# Altium PCB PROC054D_MMWCAS_RF_EVM.PcbDoc (part 12 of 14) (continued)
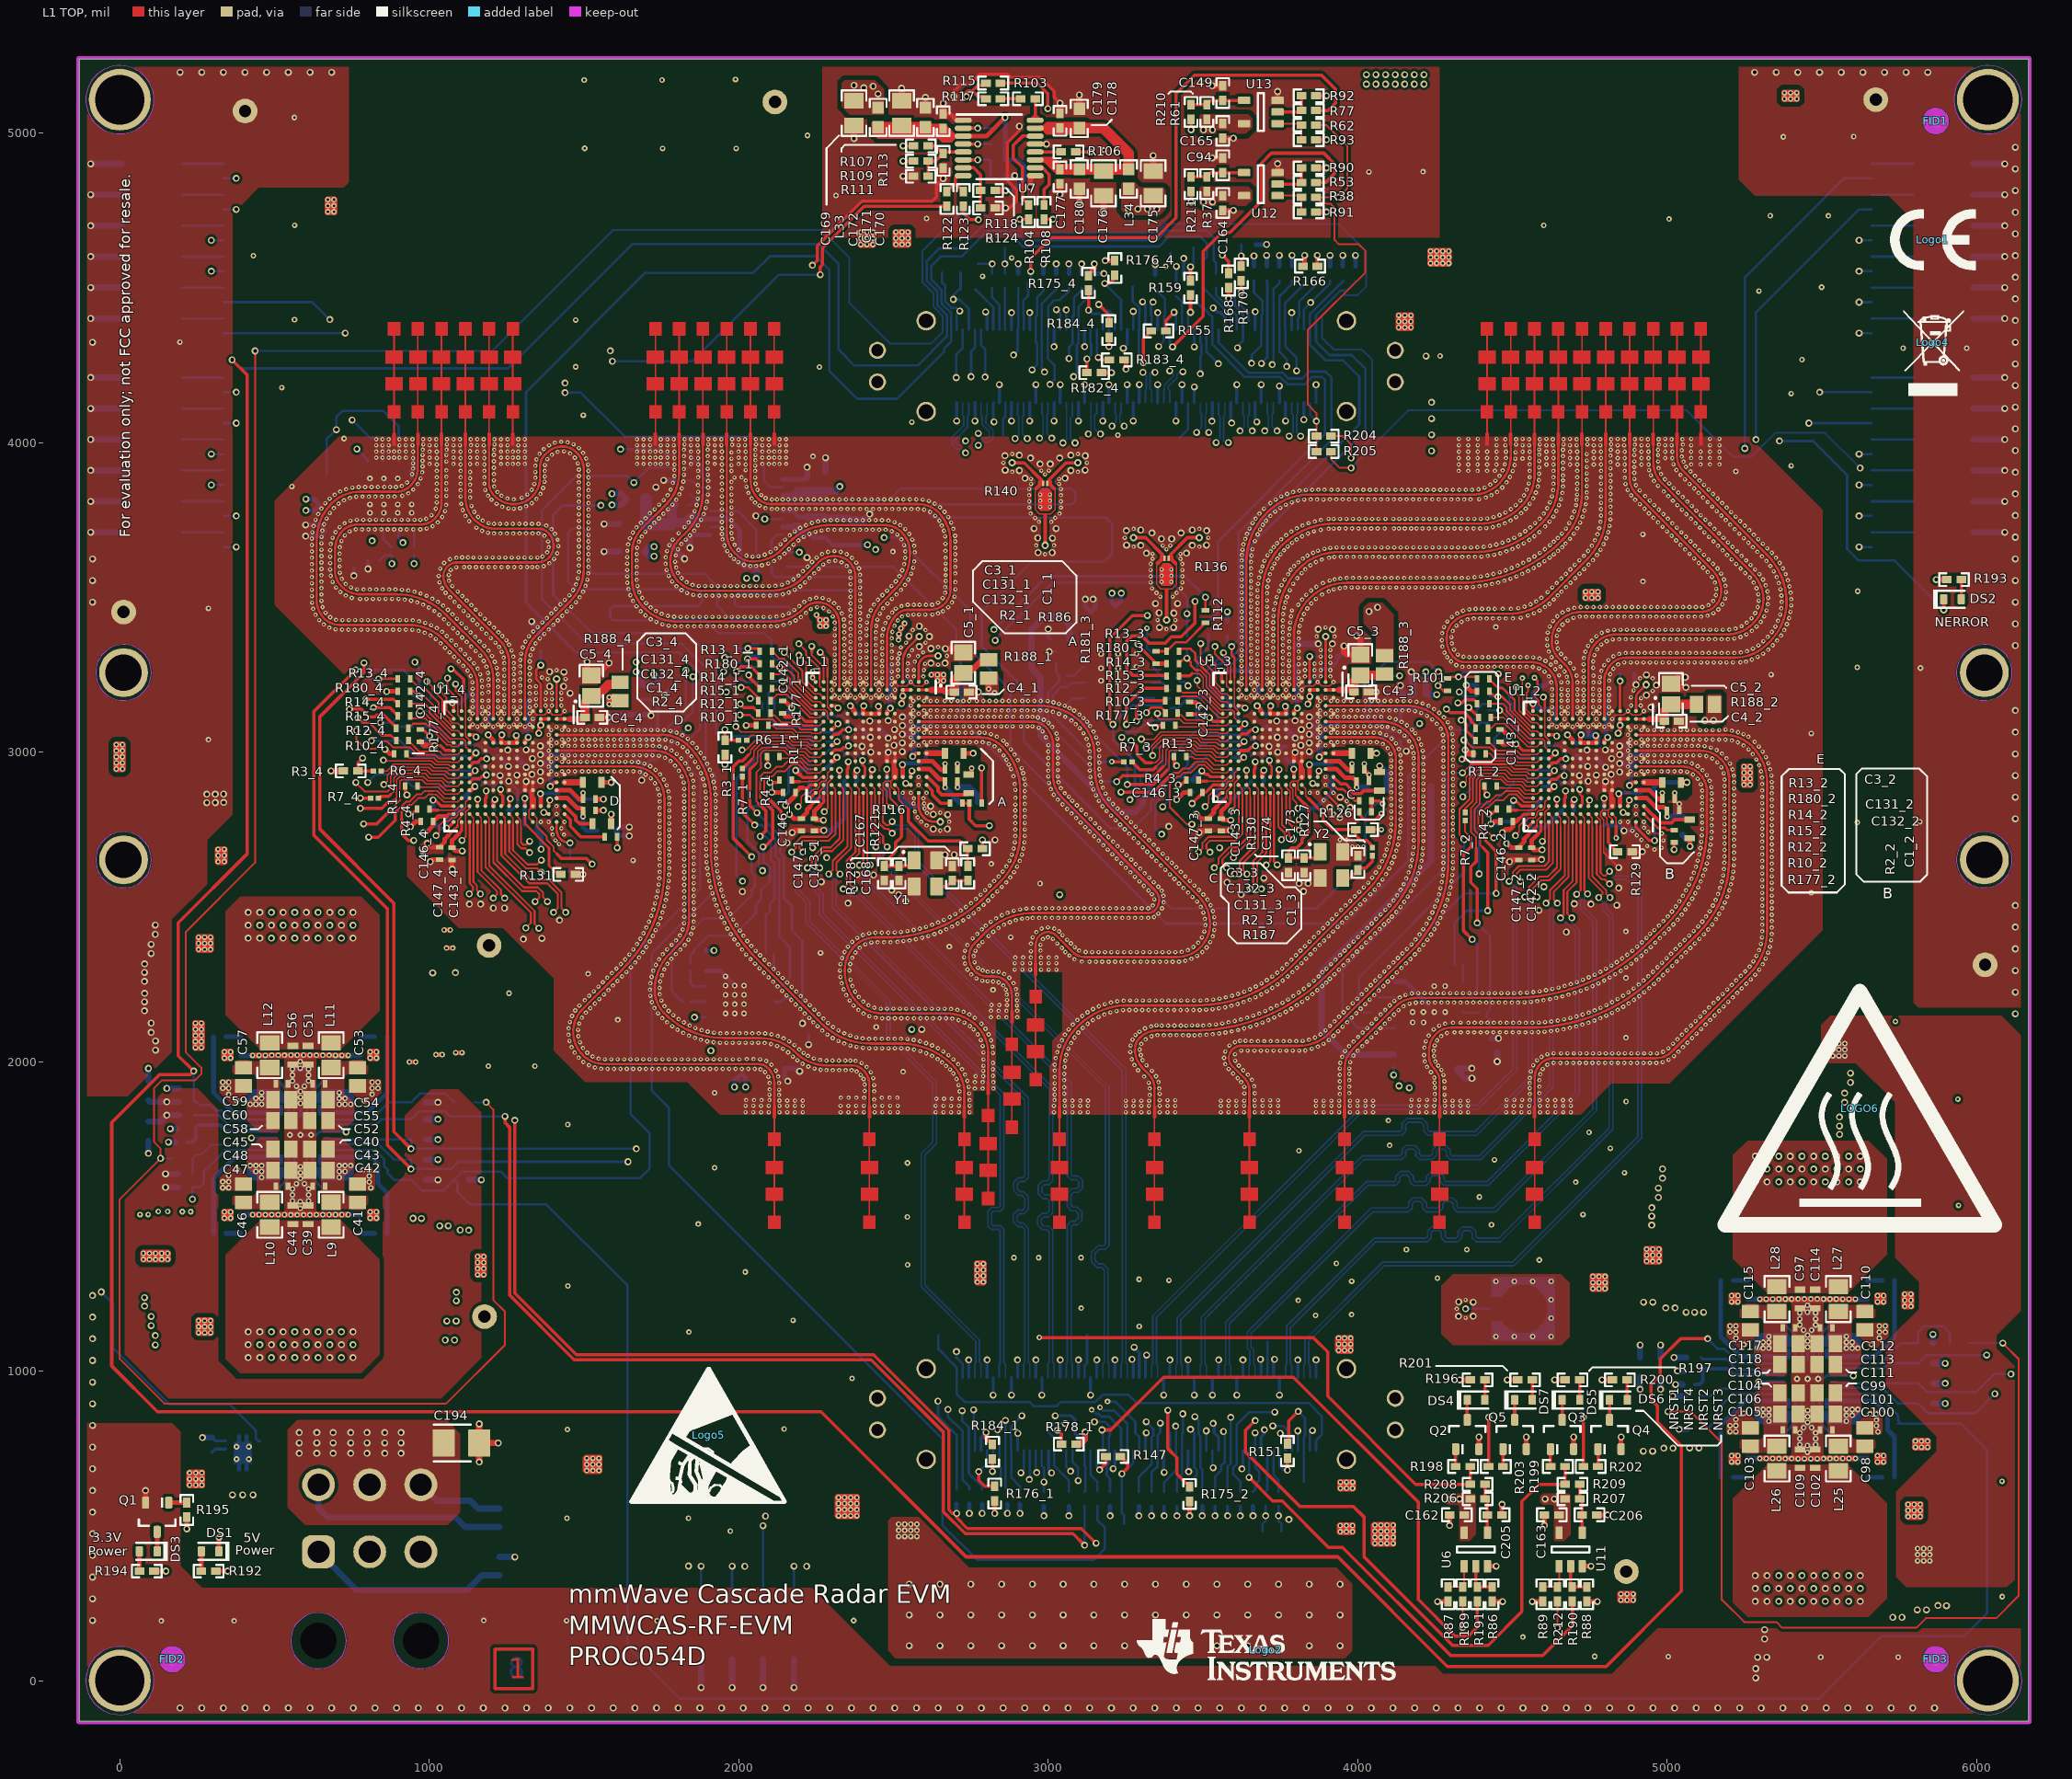
[diagram p0: L1 TOP view]
## Polygon pours and split planes (outlines as drawn) (continued)
GND on L8 BOTTOM "L8_BOTTOM_GND_P29717" (solid, remove dead copper, pour order 29717): 377.44,716.09 369.17,707.82 369.17,684.67 342.1,657.59 342.1,594.18 355.44,580.84 437.95,580.84 452.35,595.24 452.35,658.52 424.84,686.04 424.84,708.06 416.81,716.09
AWR_3_1V2_FILT on L8 BOTTOM "L8_BOTTOM_AWR_3_1V2_FILT_P29784" (solid, remove dead copper, pour order 29784): 3415,2926.83 3522.31,3034.14 3632.94,3034.14 3688.8,2978.27 3796.08,2978.27 3816.09,2958.26 3816.09,2796.64 3710.44,2690.99 3475.55,2690.99 3415,2751.55
SYSTEM_5V0 on L8 BOTTOM "L8_BOTTOM_SYSTEM_5V0_P29757" (solid, remove dead copper, pour order 29757): 18 vertices, not listed, extent 440.48,612.88 715.24,828.57
SYSTEM_3V3 on L3 SIGNAL 1 "L3_SIGNAL_1_SYSTEM_3V3_P29682" (solid, remove dead copper, pour order 29682): 19 vertices, not listed, extent 2819,3443.85 6168.77,5235.17
AWR_3_1V2_FILT on L3 SIGNAL 1 "L3_SIGNAL_1_AWR_3_1V2_FILT_P29678" (solid, remove dead copper, pour order 29678): 4005.77,1049.26 3933.6,977.08 3443.92,977.08 3238.07,1181.62 3238.07,1884.53 3238.07,2920.34 3282.12,2964.39 3458.65,3140.84 3651.28,3140.84 3798.48,2993.64 3798.48,1309.59 4005.77,1102.29
SYSTEM_3V3 on L3 SIGNAL 1 "L3_SIGNAL_1_SYSTEM_3V3_P29675" (solid, remove dead copper, pour order 29675): 4243.58,239.65 5079.35,239.61 5228.42,388.68 5993.24,388.68 6020.97,416.42 6020.97,978.39 6000.72,998.64 5897.16,998.64 5883.55,985.03 5883.55,761.72 5790.91,669.08 4284.49,669.08 4216.52,601.11 4216.52,266.71
AWR_1_1V8_FILT on L3 SIGNAL 1 "L3_SIGNAL_1_AWR_1_1V8_FILT_P29677" (solid, remove dead copper, pour order 29677): 33 vertices, not listed, extent 219.24,2018.28 2602.93,3521.26
AWR_4_1V8_FILT on L3 SIGNAL 1 "L3_SIGNAL_1_AWR_4_1V8_FILT_P29674" (solid, remove dead copper, pour order 29674): 33 vertices, not listed, extent 229.3,2334.58 1604.42,3118.67
SYSTEM_1V8 on L3 SIGNAL 1 "L3_SIGNAL_1_SYSTEM_1V8_P29681" (solid, remove dead copper, pour order 29681): 3338.64,4707.22 2888.04,4707.22 2887.04,4706.22 1925.24,4706.22 646.35,4706.22 644.69,4707.22 621.9,4730 621.9,4890.17 965.5,5233.76 3248.9,5233.76 3382.4,5100.27 3382.4,4750.97
AWR_2_1V2_FILT on L3 SIGNAL 1 "L3_SIGNAL_1_AWR_2_1V2_FILT_P29680" (solid, remove dead copper, pour order 29680): 4194.59,1669.78 4639.62,1224.75 4833.81,1224.75 4948.3,1338.9 4948.3,3000.29 4739.1,3209.49 4264.45,3209.49 4194.59,3139.64
AWR_4_1V2_FILT on L3 SIGNAL 1 "L3_SIGNAL_1_AWR_4_1V2_FILT_P29679" (solid, remove dead copper, pour order 29679): 26 vertices, not listed, extent -127.34,1294.53 1171.02,3439.25
AWR_1_1V0_RF2_FILT on L3 SIGNAL 1 "L3_SIGNAL_1_AWR_1_1V0_RF2_FILT_P29676" (solid, remove dead copper, pour order 29676): 1503.23,627.05 1464.92,665.36 1464.92,753.57 2246.94,1535.59 2757.85,1535.59 2822.27,1471.17 2822.27,709.1 2740.22,627.05
PMIC2_3V3 on L3 SIGNAL 1 "L3_SIGNAL_1_PMIC2_3V3_P29673" (solid, remove dead copper, pour order 29673): 19 vertices, not listed, extent 4858.79,683.99 5874.61,1146.4
AWR_1_1V2_FILT on L3 SIGNAL 1 "L3_SIGNAL_1_AWR_1_1V2_FILT_P29683" (solid, remove dead copper, pour order 29683): 38 vertices, not listed, extent -132.18,237.72 2611.83,3138.94
no net on Top Solder "Top Solder-No Net" (solid, pour order 29799): 3332.36,3390.31 3432.91,3390.31 3432.91,3495.97 3446.81,3509.87 3446.81,3605.94 3491.24,3650.37 3530.36,3650.37 3530.36,3735.15 3233.36,3735.15 3233.36,3648.77 3275.61,3648.77 3316.33,3608.05 3316.33,3520.34 3332.36,3504.31 3332.36,3390.31
no net on Top Solder "Top Solder-No Net" (solid, pour order 29801): 67 vertices, not listed, extent 3614,3123.04 5771.11,5188
no net on Top Solder "Top Solder-No Net" (solid, pour order 29803): 146 vertices, not listed, extent 1312.4,1032 5351,3172.49
GND on Top Solder "Top Solder-No Net" (solid, pour order 29802): 66 vertices, not listed, extent 600,3123.04 2718,5188
no net on Top Solder "Top Solder-No Net" (solid, pour order 29800): 2940,3623.5 3040.55,3623.5 3040.55,3737.98 3054.45,3751.88 3054.45,3847.95 3098.88,3892.38 3138,3892.38 3138,3977.16 2841,3977.16 2841,3890.78 2883.25,3890.78 2923.97,3850.06 2923.97,3762.35 2940,3746.32 2940,3623.5
AWR_1_1V0_RF1_FILT on L5 SIGNAL 2 "L5_SIGNAL_2_AWR_1_1V0_RF1_FILT_P29689" (solid, remove dead copper, pour order 29689): 27 vertices, not listed, extent 1117.03,1258.71 2672.13,3484.42
GND on L5 SIGNAL 2 "L5_SIGNAL_2_GND_P29692" (solid, remove dead copper, pour order 29692): -131,-131 6168.21,-131 6168.21,5239.07 -131,5239.07
SYSTEM_3V3 on L5 SIGNAL 2 "L5_SIGNAL_2_SYSTEM_3V3_P29691" (solid, remove dead copper, pour order 29691): 188 vertices, not listed, extent -131,-131 5930.08,5238.71
AWR_2_1V0_RF2_FILT on L5 SIGNAL 2 "L5_SIGNAL_2_AWR_2_1V0_RF2_FILT_P29688" (solid, remove dead copper, pour order 29688): 17 vertices, not listed, extent 5222.4,486.7 6164.28,2979.58
AWR_3_1V8_FILT on L5 SIGNAL 2 "L5_SIGNAL_2_AWR_3_1V8_FILT_P29690" (solid, remove dead copper, pour order 29690): 23 vertices, not listed, extent 3471.79,1035.43 5014.03,3258.13
AWR_2_1V0_RF1_FILT on L5 SIGNAL 2 "L5_SIGNAL_2_AWR_2_1V0_RF1_FILT_P29687" (solid, remove dead copper, pour order 29687): 5207.33,2501.24 5207.33,2455.45 5594.88,2067.91 5594.88,1991.57 5521.99,1918.68 4789.47,1918.68 4688.92,2017.98 4688.92,2235.08 4688.92,3512.52 4715.23,3538.84 4780.41,3538.84 5207.33,3111.92 5207.33,2592.86
SYSTEM_3V3 on L5 SIGNAL 2 "L5_SIGNAL_2_SYSTEM_3V3_P29686" (solid, remove dead copper, pour order 29686): 48 vertices, not listed, extent 3003,2913.21 4375.6,4618.88
AWR_4_1V8_FILT on L5 SIGNAL 2 "L5_SIGNAL_2_AWR_4_1V8_FILT_P29685" (solid, remove dead copper, pour order 29685): 1483.42,2743.92 1516.67,2777.17 1516.67,2997.47 1407.92,3107.62 1406.07,3109.48 1405.21,3108.63 1123.12,3108.63 1084.91,3070.42 1084.91,2812.77 1153.77,2743.92
AWR_3_1V2_FILT on L6 SIGNAL 3 "L6_SIGNAL_3_AWR_3_1V2_FILT_P29697" (solid, remove dead copper, pour order 29697): 3456.69,3146.71 3456.69,2997.69 3415,2956 3415,2747.99 3486.3,2676.69 3796.7,2676.69 3844,2723.99 3844,3024.66 3718.66,3150 3487,3150
SYSTEM_1V8 on L6 SIGNAL 3 "L6_SIGNAL_3_SYSTEM_1V8_P29699" (solid, remove dead copper, pour order 29699): 699.62,4851.17 740.01,4810.77 740.01,4218.05 394.02,3872.06 394.02,2608.2 356.97,2571.15 -112.55,2571.15 -122.82,2581.41 -122.82,4126.55 601.8,4851.17
AWR_1_1V0_RF2_FILT on L6 SIGNAL 3 "L6_SIGNAL_3_AWR_1_1V0_RF2_FILT_P29698" (solid, remove dead copper, pour order 29698): 2579.23,2950.74 2448.05,2819.56 2448.05,2474.21 2746.53,2175.12 2746.53,1290.34 2775.41,1261.46 3040.55,1261.46 3093.57,1314.48 3093.57,2473.6 2846.3,2720.87 2846.3,3219.22 2797.24,3268.28 2620.87,3268.28 2579.23,3226.64
AWR_1_1V8_FILT on L6 SIGNAL 3 "L6_SIGNAL_3_AWR_1_1V8_FILT_P29695" (solid, remove dead copper, pour order 29695): 2360.09,3200.58 2360.09,3385.41 2414.88,3440.21 2556.75,3440.21 2583,3413.95 2583,3260.01 2562.24,3239.25 2562.24,2955.31 2506.78,2899.85 2352.31,2899.85 2320.99,2931.17 2320.99,3161.49
AWR_4_1V8_FILT on L6 SIGNAL 3 "L6_SIGNAL_3_AWR_4_1V8_FILT_P29693" (solid, remove dead copper, pour order 29693): 1150.99,3079.99 1219.62,3148.62 1349.56,3148.62 1409.71,3088.46 1409.71,2833.69 1394,2817.98 1185.56,2817.98 1150.99,2852.55
AWR_2_1V2_FILT on L6 SIGNAL 3 "L6_SIGNAL_3_AWR_2_1V2_FILT_P29694" (solid, remove dead copper, pour order 29694): 4660.57,2646 4690.73,2676.15 4690.73,2945.36 4562.97,3073.12 4446.88,3073.12 4423.38,3049.63 4423.38,2688.31 4465.69,2646
AWR_2_1V8_FILT on L6 SIGNAL 3 "L6_SIGNAL_3_AWR_2_1V8_FILT_P29696" (solid, remove dead copper, pour order 29696): 4684.4,2807.14 4684.4,2862.48 4671.94,2874.94 4671.94,3022.89 4643.09,3051.75 4643.09,3107.75 4713.9,3178.56 4946.18,3178.56 5038.95,3085.78 5038.95,2787.87 4975.87,2724.79 4766.75,2724.79
SYSTEM_5V0 on L6 SIGNAL 3 "L6_SIGNAL_3_SYSTEM_5V0_P29700" (solid, remove dead copper, pour order 29700): 49 vertices, not listed, extent -129.36,-130.66 6168.33,5239.22
GND on L2 GND "L2_GND_GND_P29672" (solid, remove dead copper, pour order 29672): -131,-131 6168.21,-131 6168.21,5239.07 -131,5239.07
GND on L4 GND "L4_GND_GND_P29684" (solid, remove dead copper, pour order 29684): -131,-131 6168.21,-131 6168.21,5239.07 -131,5239.07
GND on L7 GND "L7_GND_GND_P29701" (solid, remove dead copper, pour order 29701): -131,-131 6168.21,-131 6168.21,5239.07 -131,5239.07

## Keep-outs
L2 GND:
  circle w1: c4899.43,2953.5 r6.17
  circle w1: c4899.44,3004.68 r6.17
  circle w1: c4899.43,3055.86 r6.17
  circle w1: c4797.07,3107.04 r6.17
  circle w1: c4745.89,3107.04 r6.17
  circle w1: c4694.71,3107.04 r6.17
  circle w1: c4643.53,3107.04 r6.17
  circle w1: c3896.43,3047.5 r6.17
  circle w1: c3896.43,3098.68 r6.17
  circle w1: c3896.43,3149.86 r6.17
  circle w1: c3794.07,3201.04 r6.17
  circle w1: c3742.89,3201.04 r6.17
  circle w1: c3691.71,3201.04 r6.17
  circle w1: c3640.53,3201.04 r6.17
  circle w1: c2581.43,3047.5 r6.17
  circle w1: c2581.43,3098.68 r6.17
  circle w1: c2581.43,3149.86 r6.17
  circle w1: c2479.07,3201.04 r6.17
  circle w1: c2427.89,3201.04 r6.17
  circle w1: c2376.71,3201.04 r6.17
  circle w1: c2325.53,3201.04 r6.17
  circle w1: c1411.43,2953.5 r6.17
  circle w1: c1411.43,3004.68 r6.17
  circle w1: c1411.43,3055.86 r6.17
  circle w1: c1309.07,3107.04 r6.17
  circle w1: c1257.89,3107.04 r6.17
  circle w1: c1206.71,3107.04 r6.17
  circle w1: c1155.53,3107.04 r6.17
  circle w1: c1411.43,3236 r18.5
  circle w1: c2583,3374.01 r18.5
  circle w1: c3896.43,3374 r18.5
L4 GND:
  circle w1: c2583,3374.01 r18.5
  circle w1: c1411.43,3236 r18.5
  circle w1: c3896.43,3374 r18.5
L5 SIGNAL 2:
  circle w1: c2583,3374.01 r18.5
  circle w1: c1411.43,3236 r18.5
  circle w1: c3896.43,3374 r18.5
L6 SIGNAL 3:
  circle w1: c2583,3374.01 r18.5
L7 GND:
  circle w1: c2583,3374.01 r18.5
  circle w1: c1411.43,3236 r18.5
  circle w1: c3896.43,3374 r18.5
L8 BOTTOM:
  circle w1: c2583,3374.01 r18.5
  circle w1: c1411.43,3236 r18.5
  circle w1: c3896.43,3374 r18.5
Keep-Out Layer:
  circle w1: c0,5108 r110
  circle w1: c0,0 r110
  circle w1: c6037,0 r110
  circle w1: c6037,5108 r110
  circle w1: c12,3257 r90
  circle w1: c12,2652 r90
  circle w1: c642.01,128.84 r90
  circle w1: c972.72,128.84 r90
  circle w1: c6025.21,3257 r90
  circle w1: c6025.21,2652 r90
  lines w10: -136,-131 ccw(c-131,-131) -131,-136 6168.21,-136 ccw(c6168.21,-131) 6173.21,-131 6173.21,5239.07 ccw(c6168.21,5239.07) 6168.21,5244.07 -131,5244.07 ccw(c-131,5239.07) -136,5239.07 -136,-131
  text ".Layer_Name" at 446,-989.49 h60

## Other copper
L1 TOP:
  drawing of 102 lines, arcs and shapes, not listed
  text "1" at 1257.24,7.47 h65
  text ".Layer_Name" at 446,-989.49 h60
L2 GND:
  region net AWR_1_1V0_RF2_FILT: 2620.92,3259.25 2665.33,3259.25 2670.56,3254.02 2670.56,3226.92 2665.38,3221.74 2638.48,3221.74 2633.14,3227.07 2633.14,3239.54 2631.24,3241.45 2618.47,3241.45 2613.33,3246.59 2613.33,3251.44
  region net SYSTEM_5V0: 2515.39,514.41 2579.92,514.41 2585.03,509.31 2585.03,461.62 2579.6,456.18 2512.89,456.18 2507.35,461.73 2507.35,508.77 2513,514.41 2515.32,514.41
  region net AWR_1_1V8_FILT: 2509.9,3360.96 2509.9,3384.51 2515.63,3390.24 2515.63,3402.55 2526.45,3413.37 2526.45,3418.78 2532.18,3424.51 2537.8,3424.51 2543.21,3419.1 2543.21,3410.19 2535.36,3402.34 2535.36,3398.41 2526.77,3389.82 2526.77,3375.28 2525.18,3373.69 2525.18,3361.59 2519.87,3356.29
  region net AWR_1_1V0_RF1_FILT: 2242.48,3438.84 2253.42,3427.91 2253.42,3403.17 2258.55,3398.04 2285.85,3398.04 2291.36,3403.54 2291.36,3430.62 2286.08,3435.9 2264.2,3435.9 2260.58,3439.52 2260.58,3446.84 2255.3,3452.12 2247.64,3452.12 2242.48,3446.96
  region net SYSTEM_3V3: 4845.85,289.56 4894.85,289.56 4900.29,284.12 4900.29,255.7 4894.37,249.77 4846.56,249.77 4840.64,255.7 4840.64,284.36 4845.84,289.55
  region net AWR_1_1V0_RF1_FILT: 1146.34,1308.09 1152.4,1302.04 1179.47,1302.04 1186.13,1308.64 1186.13,1374.29 1180.2,1380.21 1151.78,1380.21 1146.34,1374.77
  region net AWR_1_1V2_FILT: 250.75,1173.19 244.84,1167.28 244.84,1120.13 251.44,1113.54 296.41,1113.54 303.01,1120.13 303.01,1166.96 296.78,1173.19
  region net AWR_4_1V2_FILT: 158.43,1351.31 164.02,1356.9 164.02,1385.06 157.98,1391.1 72,1391.1 66.08,1385.18 66.08,1356.76 71.53,1351.31
  region net AWR_1_1V8_FILT: 234.22,2041.49 239.81,2035.9 267.97,2035.9 274.01,2041.94 274.01,2127.92 268.09,2133.84 239.67,2133.84 234.22,2128.39
  region net AWR_4_1V8_FILT: 250.75,2411.83 244.84,2405.92 244.84,2358.78 251.44,2352.18 296.41,2352.18 303.01,2358.78 303.01,2405.6 296.78,2411.83
  region net SYSTEM_1V8: 307.86,2641.07 307.86,2690.07 313.3,2695.51 341.72,2695.51 347.65,2689.59 347.65,2641.78 341.72,2635.86 313.06,2635.86 307.87,2641.06
  region net AWR_4_1V2_FILT: -21.09,2941.66 -15.5,2936.08 12.66,2936.08 18.7,2942.12 18.7,3028.09 12.78,3034.02 -15.64,3034.02 -21.09,3028.57
  region net SYSTEM_1V8: 662.48,4740.5 662.48,4789.5 667.93,4794.94 696.35,4794.94 702.27,4789.02 702.27,4741.22 696.35,4735.29 667.69,4735.29 662.49,4740.49
  region net GND: 2389.91,4689.37 2384.62,4684.08 2384.9,4683.8 2384.9,4635.9 2391.08,4629.72 2437.22,4629.72 2443.65,4636.15 2443.65,4684.1 2438.39,4689.37
  region net SYSTEM_5V0: 2503.12,4689.87 2497.84,4684.58 2498.12,4684.3 2498.12,4636.39 2504.3,4630.22 2550.43,4630.22 2556.87,4636.65 2556.87,4684.6 2551.6,4689.87
  region net SYSTEM_5V0: 4128.16,4421 4122.87,4415.71 4123.16,4415.43 4123.16,4367.52 4129.33,4361.35 4175.47,4361.35 4181.9,4367.78 4181.9,4415.73 4176.64,4421
  region net SYSTEM_3V3: 5428.5,5134.79 5423.08,5140.21 5375.13,5140.21 5369.76,5134.91 5369.76,5105.96 5375.02,5100.7 5423.5,5100.7 5428.78,5105.99 5428.5,5106.27
  region net AWR_2_1V0_RF1_FILT: 4785.96,3522.44 4780.54,3527.86 4732.59,3527.86 4727.22,3522.56 4727.22,3493.62 4732.48,3488.36 4780.96,3488.36 4786.25,3493.64 4785.96,3493.93
  region net AWR_2_1V0_RF2_FILT: 5238.93,2890.61 5244.61,2884.92 5272.41,2884.92 5278.44,2890.95 5278.44,2957.75 5273.13,2963.12 5244.19,2963.12 5238.93,2957.86
  region net AWR_2_1V0_RF1_FILT: 5530.8,2067.9 5525.52,2062.62 5525.8,2062.33 5525.8,2014.43 5531.98,2008.25 5578.11,2008.25 5584.55,2014.69 5584.55,2062.64 5579.28,2067.9
  region net PMIC2_VIN_B3: 5338.43,1070.07 5333.25,1064.89 5287.55,1064.89 5282.54,1069.9 5282.54,1078.84 5324.94,1121.23 5332.95,1121.23 5338.43,1115.76
  region net PMIC2_VIN_B2: 5570.1,1070.07 5575.28,1064.89 5620.98,1064.89 5625.98,1069.9 5625.98,1078.84 5583.59,1121.23 5575.57,1121.23 5570.1,1115.76
  region net PMIC2_VIN_B0: 5570.1,880.14 5575.28,885.32 5620.98,885.32 5625.98,880.31 5625.98,871.38 5583.59,828.98 5575.57,828.98 5570.1,834.46
  region net PMIC2_VIN_B1: 5338.43,880.14 5333.25,885.32 5287.55,885.32 5282.54,880.31 5282.54,871.38 5324.94,828.98 5332.95,828.98 5338.43,834.46
  region net PMIC1_VIN_B1: 467.7,1668 462.53,1673.18 416.83,1673.18 411.82,1668.17 411.82,1659.23 454.22,1616.84 462.23,1616.84 467.7,1622.31
  region net PMIC1_VIN_B0: 699.37,1668 704.55,1673.18 750.25,1673.18 755.26,1668.17 755.26,1659.23 712.86,1616.84 704.85,1616.84 699.37,1622.31
  region net PMIC1_VIN_B2: 699.37,1857.93 704.55,1852.75 750.25,1852.75 755.26,1857.75 755.26,1866.69 712.86,1909.09 704.85,1909.09 699.37,1903.61
  region net PMIC1_VIN_B3: 467.7,1857.93 462.53,1852.75 416.83,1852.75 411.82,1857.75 411.82,1866.69 454.22,1909.09 462.23,1909.09 467.7,1903.61
  region net AWR_2_1V0_RF1_FILT: 5805.08,436.36 5799.8,431.08 5800.08,430.8 5800.08,382.89 5806.26,376.72 5852.39,376.72 5858.82,383.15 5858.82,431.1 5853.56,436.36
  region net AWR_2_1V0_RF2_FILT: 5774.35,579.38 5769.06,574.1 5769.34,573.81 5769.34,525.91 5775.52,519.73 5821.66,519.73 5828.09,526.16 5828.09,574.12 5822.82,579.38
  region net AWR_1_1V0_RF2_FILT: 2761.15,1302.47 2761.15,1284.2 2767.54,1277.81 2794.49,1277.81 2800.93,1284.25 2800.93,1351 2795.01,1356.92 2766.59,1356.92 2761.14,1351.48 2761.14,1302.48
  region net AWR_2_1V2_FILT: 4755.72,1315.7 4750.43,1310.42 4750.71,1310.13 4750.71,1262.23 4756.89,1256.05 4803.03,1256.05 4809.46,1262.48 4809.46,1310.44 4804.19,1315.7
  region net AWR_3_1V8_FILT: 4929.6,1404.03 4924.32,1398.74 4924.6,1398.46 4924.6,1350.56 4930.78,1344.38 4976.91,1344.38 4983.34,1350.81 4983.34,1398.77 4978.08,1404.03
  region net SYSTEM_5V0: 3939.25,650.91 3988.25,650.91 3993.69,645.46 3993.69,617.04 3987.77,611.12 3939.96,611.12 3934.04,617.04 3934.04,645.7 3939.24,650.9
  region net SYSTEM_5V0: 3938.79,510.36 3987.79,510.36 3993.24,504.92 3993.24,476.5 3987.32,470.57 3939.51,470.57 3933.59,476.5 3933.59,505.16 3938.79,510.35
  region net GND: 4119.13,512.68 4123.93,507.89 4123.93,437.77 4118.78,432.62 4050.85,432.62 4043.44,440.03 4043.44,505.72 4050.4,512.68
  region net AWR_3_1V2_FILT: 3927.84,1110.58 3933.19,1115.94 3982.82,1115.94 3987.48,1111.28 3987.48,1062.72 3981.35,1056.58 3934.18,1056.58 3927.84,1062.92
  region net SYSTEM_3V3: 215.58,674.66 215.58,627.6 222.37,620.82 269.86,620.82 274.57,625.52 274.57,676.3 270.08,680.79 221.71,680.79
  region net AWR_1_1V0_RF2_FILT: 1496.65,721.57 1496.65,676.41 1497.73,675.32 1504.94,668.12 1552.12,668.12 1558.09,674.09 1558.09,723.96 1553.52,728.53 1503.61,728.53
  region net GND: 2525.94,3438.17 2525.69,3432.67 2519.11,3425.7 2513.62,3428.49 2513.69,3433.68
  pour cut-out: 1317.77,2696.74 1317.77,2690.42 1329.87,2690.53 1329.87,2711.78 1324,2711.78
  pour cut-out: 2192.66,2682.81 2186.34,2682.81 2186.45,2670.7 2207.7,2670.7 2207.7,2676.58
  pour cut-out: 2464.68,2700.17 2458.36,2700.17 2458.47,2688.06 2479.72,2688.06 2479.72,2693.94
  pour cut-out: 4510.66,2588.93 4504.34,2588.93 4504.45,2576.83 4525.7,2576.83 4525.7,2582.7
  text "2" at 1249.65,6.63 h65
  text ".Layer_Name" at 445.07,-990.08 h60
L3 SIGNAL 1:
  region net AWR_1_1V0_RF2_FILT: 2618.04,3256.29 2668.29,3256.29 2670.56,3254.02 2670.56,3226.92 2665.38,3221.74 2638.48,3221.74 2633.14,3227.07 2633.14,3239.54 2631.24,3241.45 2618.47,3241.45 2613.33,3246.59 2613.33,3251.44
  region net SYSTEM_5V0: 2515.39,514.41 2579.92,514.41 2585.03,509.31 2585.03,461.62 2579.6,456.18 2512.89,456.18 2507.35,461.73 2507.35,508.77 2513,514.41 2515.32,514.41
  region net AWR_1_1V8_FILT: 2509.9,3360.96 2509.9,3384.51 2515.63,3390.24 2515.63,3402.55 2526.45,3413.37 2526.45,3418.78 2532.18,3424.51 2537.8,3424.51 2543.21,3419.1 2543.21,3410.19 2535.36,3402.34 2535.36,3398.41 2526.77,3389.82 2526.77,3375.28 2525.18,3373.69 2525.18,3361.59 2519.87,3356.29
  region net AWR_1_1V0_RF1_FILT: 2242.48,3438.84 2253.42,3427.91 2253.42,3403.17 2258.55,3398.04 2285.85,3398.04 2291.36,3403.54 2291.36,3430.62 2286.08,3435.9 2264.2,3435.9 2260.58,3439.52 2260.58,3446.84 2255.3,3452.12 2247.64,3452.12 2242.48,3446.96
  region net AWR_1_1V0_RF1_FILT: 1146.34,1308.09 1152.4,1302.04 1179.47,1302.04 1186.13,1308.64 1186.13,1374.29 1180.2,1380.21 1151.78,1380.21 1146.34,1374.77
  region net SYSTEM_1V8: 307.86,2641.07 307.86,2690.07 313.3,2695.51 341.72,2695.51 347.65,2689.59 347.65,2641.78 341.72,2635.86 313.06,2635.86 307.87,2641.06
  region net GND: 2389.91,4689.37 2384.62,4684.08 2384.9,4683.8 2384.9,4635.9 2391.08,4629.72 2437.22,4629.72 2443.65,4636.15 2443.65,4684.1 2438.39,4689.37
  region net SYSTEM_5V0: 2503.12,4689.87 2497.84,4684.58 2498.12,4684.3 2498.12,4636.39 2504.3,4630.22 2550.43,4630.22 2556.87,4636.65 2556.87,4684.6 2551.6,4689.87
  region net GND: 4298.52,4628.49 4304,4623 4304,4575.03 4297.81,4568.84 4232.2,4568.84 4225.74,4575.3 4225.74,4623.2 4231.02,4628.49
  region net SYSTEM_5V0: 4128.16,4421 4122.87,4415.71 4123.16,4415.43 4123.16,4367.52 4129.33,4361.35 4175.47,4361.35 4181.9,4367.78 4181.9,4415.73 4176.64,4421
  region net AWR_2_1V0_RF1_FILT: 4785.96,3522.44 4780.54,3527.86 4732.59,3527.86 4727.22,3522.56 4727.22,3493.62 4732.48,3488.36 4780.96,3488.36 4786.25,3493.64 4785.96,3493.93
  region net AWR_2_1V0_RF2_FILT: 5238.93,2890.61 5244.61,2884.92 5272.41,2884.92 5278.44,2890.95 5278.44,2957.75 5273.13,2963.12 5244.19,2963.12 5238.93,2957.86
  region net GND: 5792.46,1199.71 5797.89,1205.13 5797.89,1253.08 5792.58,1258.45 5763.64,1258.45 5758.38,1253.19 5758.38,1204.71 5763.66,1199.43 5763.95,1199.71
  region net AWR_2_1V0_RF1_FILT: 5530.8,2067.9 5525.52,2062.62 5525.8,2062.33 5525.8,2014.43 5531.98,2008.25 5578.11,2008.25 5584.55,2014.69 5584.55,2062.64 5579.28,2067.9
  region net PMIC2_VIN_B3: 5338.43,1070.07 5333.25,1064.89 5287.55,1064.89 5282.54,1069.9 5282.54,1078.84 5324.94,1121.23 5332.95,1121.23 5338.43,1115.76
  region net PMIC2_VIN_B2: 5570.1,1070.07 5575.28,1064.89 5620.98,1064.89 5625.98,1069.9 5625.98,1078.84 5583.59,1121.23 5575.57,1121.23 5570.1,1115.76
  region net PMIC2_VIN_B0: 5570.1,880.14 5575.28,885.32 5620.98,885.32 5625.98,880.31 5625.98,871.38 5583.59,828.98 5575.57,828.98 5570.1,834.46
  region net PMIC2_VIN_B1: 5338.43,880.14 5333.25,885.32 5287.55,885.32 5282.54,880.31 5282.54,871.38 5324.94,828.98 5332.95,828.98 5338.43,834.46
  region net PMIC1_VIN_B3: 467.7,1857.93 462.53,1852.75 416.83,1852.75 411.82,1857.75 411.82,1866.69 454.22,1909.09 462.23,1909.09 467.7,1903.61
  region net PMIC1_VIN_B2: 699.37,1857.93 704.55,1852.75 750.25,1852.75 755.26,1857.75 755.26,1866.69 712.86,1909.09 704.85,1909.09 699.37,1903.61
  region net PMIC1_VIN_B0: 699.37,1668 704.55,1673.18 750.25,1673.18 755.26,1668.17 755.26,1659.23 712.86,1616.84 704.85,1616.84 699.37,1622.31
  region net PMIC1_VIN_B1: 467.7,1668 462.53,1673.18 416.83,1673.18 411.82,1668.17 411.82,1659.23 454.22,1616.84 462.23,1616.84 467.7,1622.31
  region net GND: 358.22,1523.9 361.4,1523.9 367.2,1518.09 367.2,1490.43 361.79,1485.02 334.16,1485.02 328.59,1490.59 328.59,1518.17 334.32,1523.91 357.48,1523.91
  region net GND: 829.54,1523.9 832.72,1523.9 838.53,1518.09 838.53,1490.43 833.11,1485.02 805.49,1485.02 799.92,1490.59 799.92,1518.17 805.65,1523.91 828.81,1523.91
  region net GND: 829.54,2041.06 832.72,2041.06 838.53,2035.26 838.53,2007.6 833.11,2002.19 805.49,2002.19 799.92,2007.76 799.92,2035.34 805.65,2041.07 828.81,2041.07
  region net GND: 358.22,2041.06 361.4,2041.06 367.2,2035.26 367.2,2007.6 361.79,2002.19 334.16,2002.19 328.59,2007.76 328.59,2035.34 334.32,2041.07 357.48,2041.07
  region net GND: 5228.94,736.04 5232.12,736.04 5237.92,730.24 5237.92,702.58 5232.51,697.17 5204.88,697.17 5199.32,702.74 5199.32,730.32 5205.05,736.05 5228.2,736.05
  region net GND: 5700.27,736.04 5703.45,736.04 5709.25,730.24 5709.25,702.58 5703.84,697.17 5676.21,697.17 5670.64,702.74 5670.64,730.32 5676.38,736.05 5699.53,736.05
  region net GND: 5700.27,1253.21 5703.45,1253.21 5709.25,1247.4 5709.25,1219.74 5703.84,1214.33 5676.21,1214.33 5670.64,1219.9 5670.64,1247.49 5676.38,1253.22 5699.53,1253.22
  region net GND: 5228.94,1253.21 5232.12,1253.21 5237.92,1247.4 5237.92,1219.74 5232.51,1214.33 5204.88,1214.33 5199.32,1219.9 5199.32,1247.49 5205.05,1253.22 5228.2,1253.22
  region net GND: 5793,749.48 5798.42,744.06 5846.37,744.06 5851.74,749.36 5851.74,778.3 5846.48,783.56 5798,783.56 5792.71,778.28 5793,777.99
  region net AWR_2_1V0_RF1_FILT: 5805.08,436.36 5799.8,431.08 5800.08,430.8 5800.08,382.89 5806.26,376.72 5852.39,376.72 5858.82,383.15 5858.82,431.1 5853.56,436.36
  region net AWR_2_1V0_RF2_FILT: 5774.35,579.38 5769.06,574.1 5769.34,573.81 5769.34,525.91 5775.52,519.73 5821.66,519.73 5828.09,526.16 5828.09,574.12 5822.82,579.38
  region net AWR_1_1V0_RF2_FILT: 2761.15,1302.47 2761.15,1284.2 2767.54,1277.81 2794.49,1277.81 2800.93,1284.25 2800.93,1351 2795.01,1356.92 2766.59,1356.92 2761.14,1351.48 2761.14,1302.48
  region net AWR_2_1V2_FILT: 4755.72,1315.7 4750.43,1310.42 4750.71,1310.13 4750.71,1262.23 4756.89,1256.05 4803.03,1256.05 4809.46,1262.48 4809.46,1310.44 4804.19,1315.7
  region net AWR_3_1V8_FILT: 4929.6,1404.03 4924.32,1398.74 4924.6,1398.46 4924.6,1350.56 4930.78,1344.38 4976.91,1344.38 4983.34,1350.81 4983.34,1398.77 4978.08,1404.03
  region net SYSTEM_5V0: 3939.25,650.91 3988.25,650.91 3993.69,645.46 3993.69,617.04 3987.77,611.12 3939.96,611.12 3934.04,617.04 3934.04,645.7 3939.24,650.9
  region net SYSTEM_5V0: 3938.79,510.36 3987.79,510.36 3993.24,504.92 3993.24,476.5 3987.32,470.57 3939.51,470.57 3933.59,476.5 3933.59,505.16 3938.79,510.35
  region net GND: 4119.13,512.68 4123.93,507.89 4123.93,437.77 4118.78,432.62 4050.85,432.62 4043.44,440.03 4043.44,505.72 4050.4,512.68
  region net AWR_3_1V2_FILT: 3927.84,1110.58 3933.19,1115.94 3982.82,1115.94 3987.48,1111.28 3987.48,1062.72 3981.35,1056.58 3934.18,1056.58 3927.84,1062.92
  region net GND: 2385.84,602.06 2390.64,597.26 2390.64,527.15 2385.49,522 2317.55,522 2310.15,529.4 2310.15,595.1 2317.11,602.06
  region net GND: 5191.77,1156.41 5191.77,1118.51 5235.66,1074.61 5254.42,1074.61 5260.41,1080.6 5260.41,1137.89 5237.16,1161.14 5196.5,1161.14 5191.77,1156.41
  region net GND: 5716.76,1156.41 5716.76,1118.51 5672.86,1074.61 5654.11,1074.61 5648.11,1080.6 5648.11,1137.89 5671.36,1161.14 5712.03,1161.14 5716.75,1156.41
  region net GND: 5191.77,793.81 5191.77,831.71 5235.66,875.6 5254.42,875.6 5260.41,869.61 5260.41,812.33 5237.16,789.07 5196.5,789.07 5191.77,793.8
  region net GND: 5694.62,799.08 5694.63,860.05 5679.07,875.6 5654.11,875.6 5644.92,866.42 5644.92,822.29 5674.44,792.77 5688.3,792.77
  region net GND: 5434.21,1071.1 5441.91,1063.4 5466.2,1063.4 5473.9,1071.1 5473.9,1113.59 5499.23,1138.92 5499.23,1196.56 5511.8,1209.13 5622.3,1209.13 5629.68,1216.51 5629.68,1242.04 5615.72,1256 5290.2,1256 5273.64,1239.45 5273.64,1223.69 5286.61,1210.72 5392.52,1210.72 5408.48,1194.77 5408.48,1137.52 5434.21,1111.79
  region net GND: 5434.21,879.11 5441.91,886.81 5466.2,886.81 5473.9,879.11 5473.9,836.63 5499.23,811.3 5499.23,753.65 5511.8,741.08 5622.3,741.08 5629.68,733.7 5629.68,708.17 5615.72,694.21 5290.2,694.21 5273.64,710.77 5273.64,726.52 5286.61,739.49 5392.52,739.49 5408.48,755.45 5408.48,812.69 5434.21,838.42
  region net GND: 563.48,1666.97 571.18,1674.67 595.48,1674.67 603.18,1666.97 603.18,1624.48 628.51,1599.15 628.51,1541.51 641.07,1528.94 751.58,1528.94 758.96,1521.56 758.96,1496.03 745,1482.07 419.47,1482.07 402.92,1498.62 402.92,1514.38 415.88,1527.34 521.8,1527.34 537.75,1543.3 537.75,1600.55 563.48,1626.28
  region net GND: 563.48,1858.96 571.18,1851.26 595.48,1851.26 603.18,1858.96 603.18,1901.44 628.51,1926.77 628.51,1984.42 641.07,1996.98 751.58,1996.98 758.96,2004.36 758.96,2029.9 745,2043.86 419.47,2043.86 402.92,2027.3 402.92,2011.54 415.88,1998.58 521.8,1998.58 537.75,1982.62 537.75,1925.38 563.48,1899.65
  region net GND: 823.89,1586.94 823.9,1647.9 808.34,1663.46 783.38,1663.46 774.2,1654.27 774.2,1610.14 803.71,1580.62 817.58,1580.62
  region net GND: 321.04,1581.66 321.04,1619.56 364.94,1663.46 383.69,1663.46 389.69,1657.46 389.69,1600.18 366.44,1576.93 325.77,1576.93 321.05,1581.66
  region net GND: 846.03,1944.26 846.03,1906.36 802.14,1862.47 783.38,1862.47 777.39,1868.46 777.39,1925.74 800.64,1948.99 841.3,1948.99 846.03,1944.27
  region net GND: 321.04,1944.26 321.04,1906.36 364.94,1862.47 383.69,1862.47 389.69,1868.46 389.69,1925.74 366.44,1948.99 325.77,1948.99 321.05,1944.27
  pour cut-out: 1317.77,2696.74 1317.77,2690.42 1330.23,2690.42 1330.23,2696.74
  pour cut-out: 2186.34,2682.81 2192.66,2682.81 2192.66,2670.35 2186.34,2670.35
  pour cut-out: 4504.34,2588.93 4510.66,2588.93 4510.66,2576.47 4504.34,2576.47
  pour cut-out: 2464.68,2700.17 2458.36,2700.17 2458.47,2688.06 2479.72,2688.06 2479.72,2693.94
  region net SYSTEM_3V3: 215.58,674.66 215.58,627.6 222.37,620.82 269.86,620.82 274.57,625.52 274.57,676.3 270.08,680.79 221.71,680.79
  text "3" at 1250.07,8.31 h65
  text ".Layer_Name" at 445.07,-990.08 h60